# KiCad board JL_checkpoint.kicad_pcb (continued)
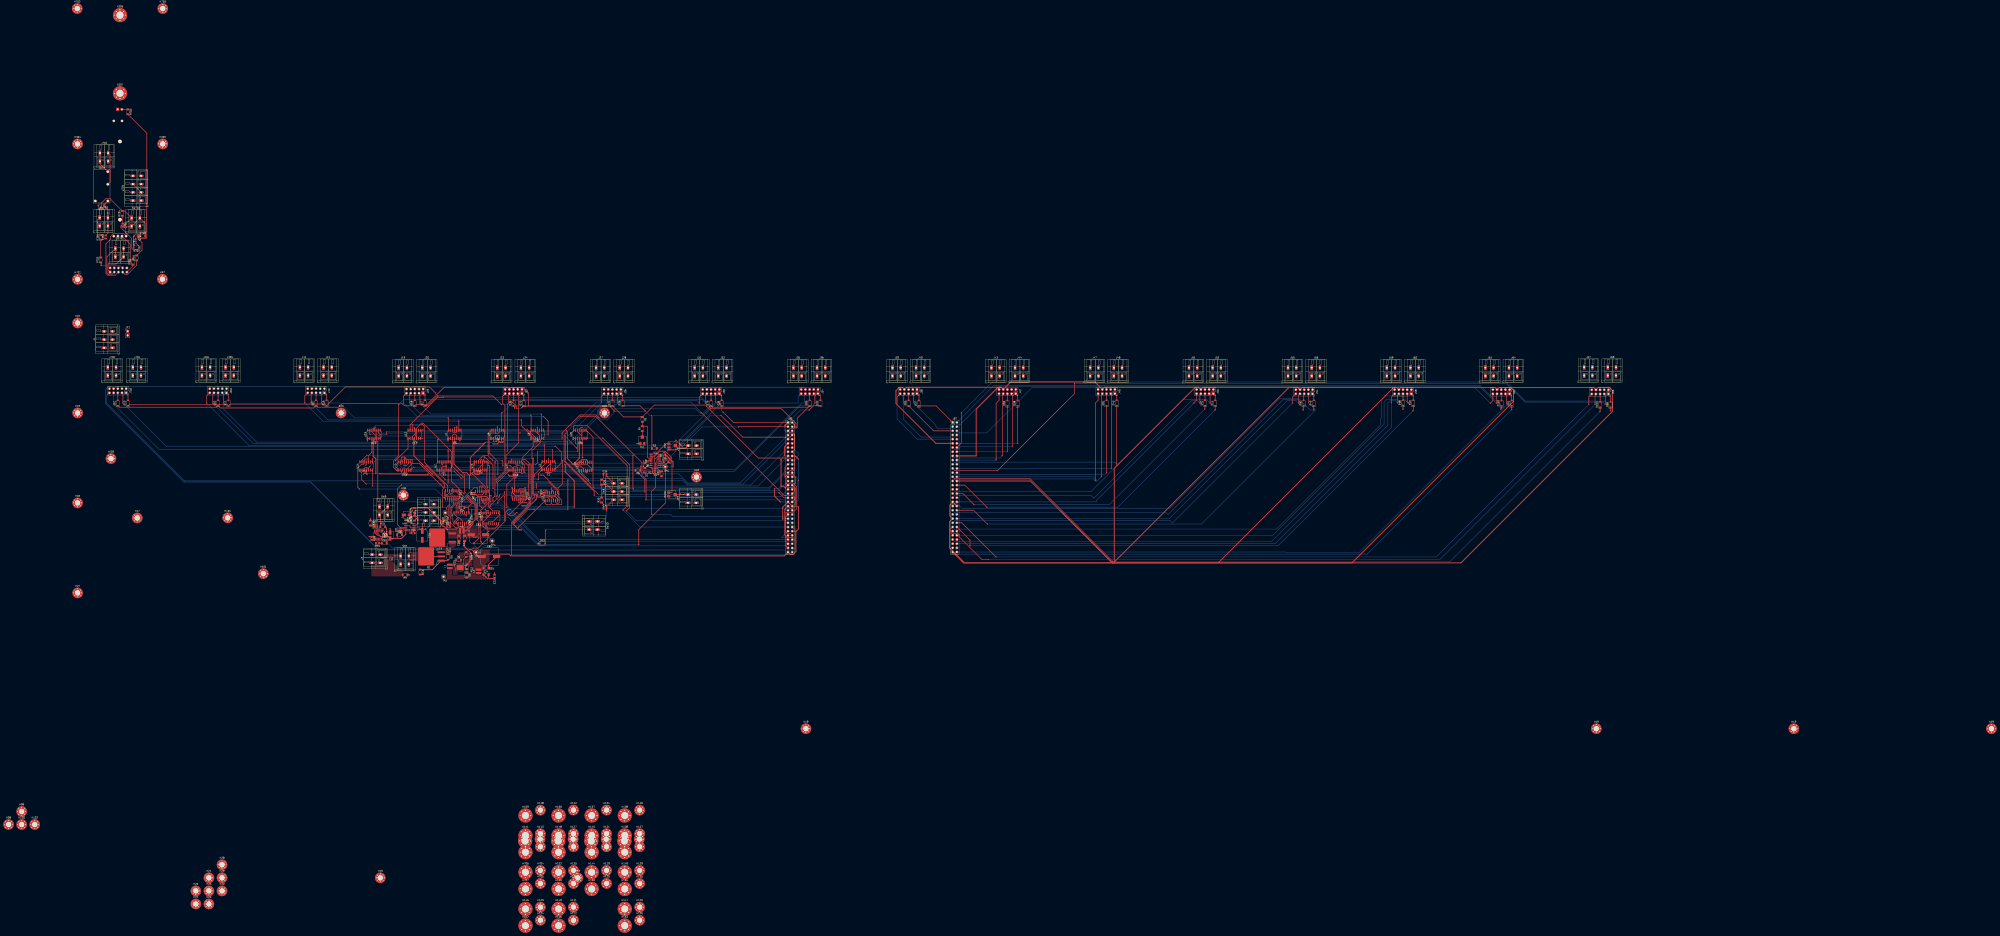
[diagram p0: board, top side]
## Routing (per net, layer and track width the routed paths; a pad name or vN(x,y) marks a point on that pad's centre or on a via; arc(x,y) is an arc through that point) (continued)
CHAN_12: length 76.8
  Top w0.349: v3(288.44,283.25) 288.44,282.2 U16.10 287.96,280.5 ; U16.3 285.42,277.75 287.96,280.29 287.96,280.5 ; U13.3 328.42,259.25 327.17,260.5 321.18,260.5 321.18,261.08 321.28,261.18 321.28,261.82 320.83,262.27 320.19,262.27 319.74,261.82 319.49,261.82 318.69,262.62 v3(318.69,284) ; 287.96,280.5 U16.5
  Bottom w0.349: v3(288.44,283.25) 289.19,284 v3(318.69,284)
CHAN_13: length 80.8
  Top w0.3: v1(334.69,258.5) 334.69,257.32 333.69,256.32 333.2,256.32 332.23,257.3 U13.6
  Top w0.349: v3(306.44,274) 306.44,276.75 U17.3 ; v3(323.44,273.73) 324.78,273.73 334.22,264.29 334.22,262.16 ; U17.5 308.96,278.48 308.69,278.75 306.94,278.75 306.42,278.23 U17.3 ; v3(293.94,282.75) 291.16,285.52 288.24,285.52 285.42,282.7 U16.12 ; v3(299.69,282.5) 300.19,282 v3(300.19,279.5) ; U17.3 306.42,277.75 304.67,279.5 v3(304.44,279.5)
  Bottom w0.3: v1(334.69,258.5) 334.69,261.72 v1(334.27,262.14)
  Bottom w0.349: v3(306.44,274) 306.71,273.73 312.06,273.73 312.11,273.77 323.39,273.77 v3(323.44,273.73) ; v3(299.69,282.5) 299.44,282.75 v3(293.94,282.75) ; v3(304.44,279.5) v3(300.19,279.5)
CHAN_14: length 85.5
  Top w0.3: v1(316.74,268.72) 316.69,268.77 316.69,279.5 v1(315.94,280.25) ; U17.10 308.94,281.7 v1(308.94,280.25) ; U13.8 333.5,264.02 v1(328.32,269.2)
  Top w0.349: v1(320.09,280) 321.21,281.12 v1(321.21,287.85) ; v1(345.66,287.95) 345.71,288 345.71,295.98 U20.3
  Bottom w0.3: v1(328.32,269.2) 328.27,269.25 317.27,269.25 v1(316.74,268.72) ; v1(315.94,280.25) v1(308.94,280.25)
  Bottom w0.349: v1(320.09,280) 316.19,280 v1(315.94,280.25) ; v1(321.21,287.85) 321.31,287.95 v1(345.66,287.95)
CHAN_15: length 58.6
  Top w0.349: 348.21,298 U20.10 ; 348.21,298 U20.5 348.51,295.73 348.51,284.43 v3(348.69,284.25) ; 348.21,298 347.67,298 345.67,300 U20.12 ; v3(329.69,265.75) U13.11 ; v3(333.94,266) 336.46,268.52 v3(336.46,282.5)
  Bottom w0.349: v3(329.69,265.75) 329.94,266 v3(333.94,266) ; v3(336.46,282.5) 338.21,284.25 v3(348.69,284.25)
CLK: length 198
  Top w0.349: v1(403.63,278.75) 403.63,281.71 399.07,286.27 ; 403.69,281.66 399.07,286.27 ; 399.07,286.27 398.36,286.27 397.91,285.82 397.91,284.39 D2.1 ; v3(382.76,231.51) 382.76,240.65 398.86,256.75 TP5.1 ; U1.8 398.51,278.4 TP5.1 ; U25.14 276.92,243.02 v3(276.94,243) ; TP5.1 398.87,278.76 ; TP5.1 397.93,279.67 U1.9
  Bottom w0.349: TP5.1 v1(403.63,278.75) ; v3(382.76,231.51) 382.72,231.48 321.11,231.48 313.76,238.83 313.76,239.08 309.84,243 v3(276.94,243)
CLOCK: length 56
  Top w0.349: v3(382.19,275.27) 386.44,271.02 v3(386.44,263.5) ; SW8.2 363.32,267.94 R29.2 R30.2 ; v3(387.19,275.5) D1.2
  Bottom w0.349: SW8.2 386.19,263.75 v3(386.44,263.5) ; v3(382.19,275.27) 385.66,275.27 385.69,275.25 385.94,275.5 v3(387.19,275.5)
CV_0: length 297.4
  Top w0.349: v3(321.94,271) 321.94,274.83 U3.1 U3.2
  Bottom w0.349: v3(321.94,271) 316.94,271 316.19,270.25 106.8,270.25 59.55,317.5 59.55,321.98 J702.9
CV_1: length 234.2
  Top w0.349: v3(325.44,292.02) 325.4,291.98 U3.13 U3.14 ; v3(120.3,317.5) 120.3,321.82 J302.9
  Bottom w0.349: v3(120.3,317.5) 145.95,291.85 325.26,291.85 v3(325.44,292.02)
CV_2: length 112
  Top w0.349: 179.95,317.5 179.95,321.97 J10.9 ; v3(273.44,306.5) 273.48,306.46 U4.9 U4.8
  Bottom w0.349: v3(273.44,306.5) 190.95,306.5 179.95,317.5 v3(179.95,317.68)
CV_3: length 114.7
  Top w0.349: J18.9 239.95,321.72 v1(239.95,317.5) ; v1(323.69,298.17) 323.73,298.13 U6.6 U6.7 ; v1(327.69,298.25) 327.69,306.5 v3(324.91,309.27)
  Bottom w0.349: v3(324.91,309.27) 248.17,309.27 v1(239.95,317.5) ; v1(323.69,298.17) 323.76,298.25 v1(327.69,298.25)
CV_4: length 95.2
  Top w0.349: U7.1 U7.2 ; U7.2 261.94,276.74 ; U7.2 261.9,274.29 v3(265.16,271.02) ; v3(296.19,271.02) 301.47,276.31 301.47,315.98 299.95,317.5 299.95,321.56 J22.9
  Bottom w0.349: v3(296.19,271.02) v3(265.16,271.02)
CV_5: length 129.7
  Top w0.349: 359.95,317.5 359.95,321.47 J26.9 ; U7.13 U7.14 260.63,295.19 v3(260.69,295.25)
  Bottom w0.349: 359.95,317.5 337.92,295.48 260.91,295.48 v3(260.69,295.25)
CV_6: length 142
  Top w0.349: v3(299.69,311.6) 299.48,311.39 U9.9 U9.8 ; J30.9 419.55,321.18 v3(419.55,317.5)
  Bottom w0.349: v3(419.55,317.5) 418.12,318.92 307.19,318.92 299.86,311.6 v3(299.69,311.6)
CV_7: length 260.9
  Top w0.349: U10.6 U10.7 245.97,278.5 v3(246.19,278.5)
  Bottom w0.349: v3(246.19,278.5) 395.46,278.5 404.91,287.95 404.91,289.57 432.84,317.5 479.55,317.5 479.55,321.32 J34.9
CV_8: length 55.1
  Top w0.349: 539.65,317.5 539.65,321.28 J38.9
  Bottom w0.349: 539.65,317.5 539.65,307.79 551.94,295.5 551.99,295.55 J87.9
CV_9: length 64.8
  Top w0.349: J42.9 601.58,319.18 599.8,317.4 599.8,283.11 v3(599.69,283)
  Bottom w0.349: J87.20 599.54,282.85 v3(599.69,283)
CV_10: length 141.3
  Top w0.349: 659.94,270.25 v3(660.05,270.36) 660.05,317.5 661.76,319.21 J46.9
  Bottom w0.349: J87.29 574.68,271.42 658.99,271.42 v3(660.05,270.36)
CV_11: length 175.8
  Top w0.349: J50.9 721.58,319.23 719.85,317.5
  Bottom w0.349: v3(719.94,317.5) 719.85,317.5 660.69,258.34 660.69,257.5 660.64,257.45 J87.40
CV_12: length 243.8
  Top w0.349: J54.9 779.75,321.02 v3(779.75,317.5)
  Bottom w0.349: v3(779.75,317.5) 707.25,245 706.44,245 705.42,246.02 574.68,246.02 J87.49
CV_13: length 314.5
  Top w0.349: J58.9 839.85,321.12 839.85,317.6
  Bottom w0.349: 839.85,317.6 839.85,302.66 769.19,232 769.14,232.05 J87.60
  vias: v3(839.85,317.75)
CV_14: length 348.9
  Top w0.349: v3(899.95,317.4) 901.51,318.96 J62.9
  Bottom w0.349: J87.7 574.68,299.36 594.05,299.36 621.71,327.02 890.33,327.02 v3(899.95,317.4)
CV_15: length 438
  Top w0.349: v3(599.69,224) 578.94,244.75 J87.50 ; J66.9 959.75,321.22 v3(959.75,316.75) 959.75,316.65
  Bottom w0.349: v3(599.69,224) 867.1,224 959.75,316.65 v3(959.75,316.75)
CV_CommonChannelOutput: length 578.7
  Top w0.349: J85.56 474.68,238.36 472.87,238.36 471.94,239.3 471.94,248.32 J85.45 472.14,251.06 476.48,251.06 478.42,253 478.42,266.9 476.48,268.84 472.72,268.84 472.13,268.25 ; R2.1 373.52,309.07 D74.1 ; R2.1 392.2,316.27 426.22,316.27 D79.1 427.52,314.98 485.67,314.98 ; R2.1 383.61,309.07 ; 472.13,268.25 472.13,271.38 J85.27 ; 472.13,268.25 472.13,267.04 472.87,266.3 476.48,266.3 477.22,265.56 477.22,263.76 J85.36 ; J85.25 474.68,276.46 476.48,276.46 477.22,277.2 477.22,286.62 J85.16 477.22,289.16 477.22,298.58 476.48,299.32 474.68,299.32 J85.5 474.68,301.86 476.48,301.86 477.22,302.6 477.22,304.4 J85.2 477.46,304.15 477.46,302.81 477.92,302.36 478.56,302.36 479.01,302.81 479.01,308.32 485.67,314.98 ; 485.67,314.98 D80.1 486.13,315.85 ; v3(307.44,314.5) 307.44,315.16 D73.1 ; 366.69,315.79 D74.1 ; D74.1 315.84,315.85 v3(315.69,316) 315.69,323.7 312.33,327.06 264.55,327.06 254.21,316.72 247.62,316.72 D68.1 240.34,315.85 238.91,317.27 202.62,317.27 200.32,314.98 187.62,314.98 D67.1 185.4,314.5 128.6,314.5 D62.1 126.37,314.98 67.22,314.98 D61.1
  Bottom w0.349: v3(307.44,314.5) 308.94,316 v3(315.69,316)
CV_OUT: length 9
  Top w0.5: J1.2 411.26,290.15 406.51,290.15 RV2.2
CV_OUTPUT_0: length 4.6
  Top w0.349: D61.2 66.35,323.7 J702.5
CV_OUTPUT_1: length 4.6
  Top w0.349: J302.5 127.25,323.69 D62.2
CV_OUTPUT_2: length 4.6
  Top w0.349: D67.2 186.75,323.69 J10.5
CV_OUTPUT_3: length 4.3
  Top w0.349: J18.5 246.75,323.44 D68.2
CV_OUTPUT_4: length 4.1
  Top w0.349: D73.2 306.75,323.22 J22.5
CV_OUTPUT_5: length 4.1
  Top w0.349: J26.5 366.75,323.19 D74.2
CV_OUTPUT_6: length 4.1
  Top w0.349: J30.5 426.65,323.2 D79.2
CV_OUTPUT_7: length 4.1
  Top w0.349: J34.5 486.55,323.18 D80.2
CV_OUTPUT_8: length 4.1
  Top w0.349: J38.5 546.65,323.2 D85.2
CV_OUTPUT_9: length 4.2
  Top w0.349: D86.2 606.65,323.2 J42.5
CV_OUTPUT_10: length 4.1
  Top w0.349: D91.2 666.85,323.2 J46.5
CV_OUTPUT_11: length 4.1
  Top w0.349: D92.2 726.65,323.2 J50.5
CV_OUTPUT_12: length 4.1
  Top w0.349: J54.5 786.55,322.74 D97.2
CV_OUTPUT_13: length 3.9
  Top w0.349: J58.5 846.95,323.08 D98.2
CV_OUTPUT_14: length 4.1
  Top w0.349: D103.2 906.75,322.95 J62.5
CV_OUTPUT_15: length 4.8
  Top w0.349: D104.2 966.65,322.98 J66.5
GATE: length 7.7
  Top w0.349: J69.2 412.56,261.96 RV20.2
GATE_0: length 298.6
  Top w0.349: v3(331.94,291.25) 332.19,291.25 335.69,287.75 335.69,280.96 U3.7 U3.6 ; J702.3 69.45,323.16 v3(69.45,317.5)
  Bottom w0.349: v3(331.94,291.25) 95.7,291.25 v3(69.45,317.5) 69.44,317.5
GATE_1: length 158
  Top w0.349: J302.3 130.45,323.07 v3(130.45,317.5) ; U4.2 U4.1 266.94,295.83 v3(266.94,294.5)
  Bottom w0.349: v3(266.94,294.5) 266.88,294.45 222.9,294.45 222.2,293.75 150.69,293.75 130.45,313.99 v3(130.45,317.5)
GATE_2: length 96.2
  Top w0.349: U4.13 U4.14 267.13,308.31 v3(266.94,308.5) ; 189.95,317.5 189.95,323.07 J10.3
  Bottom w0.349: v3(266.94,308.5) 210.05,308.5 201.05,317.5 189.95,317.5 v3(189.95,317.68)
GATE_3: length 93.9
  Top w0.349: U6.8 U6.9 323.73,310.71 v3(323.69,310.75) ; v1(249.85,317.5) 249.85,322.92 J18.3
  Bottom w0.349: v3(323.69,310.75) 323.61,310.82 256.52,310.82 v1(249.85,317.5)
GATE_4: length 97.8
  Top w0.349: J22.3 309.85,322.66 309.85,293.41 302.07,285.63 302.07,275.36 301.62,275.36 296.19,269.93 v3(296.19,269.48) ; U7.7 U7.6 266.98,269.52 v3(266.94,269.48)
  Bottom w0.349: v3(296.19,269.48) v3(266.94,269.48)
GATE_5: length 97.8
  Top w0.349: J26.3 369.85,322.67 369.85,317.5 ; v3(294.44,294.25) 294.44,295.99 U9.2 U9.1
  Bottom w0.349: v3(294.44,294.25) 296.14,292.55 324.87,292.55 325.11,292.8 325.76,292.8 326,292.55 341.54,292.55 358.32,309.34 358.32,312.98 360.82,315.48 367.82,315.48 369.85,317.5
GATE_6: length 174
  Top w0.349: v3(291.44,286.5) 291.25,286.68 291.25,299.1 U9.14 U9.13 ; J30.3 429.2,318.25 429.95,317.5
  Bottom w0.349: 429.95,317.5 398.95,286.5 v3(291.44,286.5)
GATE_7: length 281.4
  Top w0.349: U10.8 U10.9 242.98,280.75 241.9,279.67 v3(240.36,279.67) ; J34.3 489.75,322.52 v3(489.75,317.5)
  Bottom w0.349: v3(489.75,317.5) 488.32,316.08 480.98,316.08 440.91,276 419.46,276 419.31,276.15 416.31,276.15 416.16,276 387.78,276 387.05,276.73 241.11,276.73 239.66,278.18 239.66,278.98 v3(240.36,279.67)
GATE_8: length 39.6
  Top w0.349: 549.75,317.5 549.75,322.66 J38.3
  Bottom w0.349: J87.4 574.68,301.9 564.54,301.9 563.19,303.25 563.19,304.06 549.75,317.5
GATE_9: length 70
  Top w0.349: v3(609.69,291) 609.75,291.06 609.75,322.66 J42.3
  Bottom w0.349: J87.13 574.68,289.2 576.48,289.2 578.28,291 v3(609.69,291)
GATE_10: length 139.7
  Top w0.349: v3(669.94,277.75) 669.95,277.76 669.95,322.64 J46.3
  Bottom w0.349: v3(669.94,277.75) 669.92,277.77 J87.24
GATE_11: length 186.7
  Top w0.349: J50.3 729.75,322.66 v3(729.75,317.5)
  Bottom w0.349: J87.33 574.68,263.8 657.49,263.8 713.21,319.52 727.72,319.52 v3(729.75,317.5)
GATE_12: length 261.4
  Top w0.349: v3(594.44,244) 586.07,252.37 J87.44 ; J54.3 789.65,322.92 789.65,317.5
  Bottom w0.349: 789.65,317.5 793.46,313.69 793.46,312.93 724.53,244 v3(594.44,244)
GATE_13: length 327.2
  Top w0.349: 850.19,317.5 850.09,317.6 v3(850.05,317.6) 849.46,318.19 J58.3
  Bottom w0.349: v3(850.05,317.6) 845.81,321.84 836.03,321.84 833.94,319.75 833.94,308.5 833.19,307.75 833.19,304 770.13,240.94 574.68,240.94 J87.53
GATE_14: length 378.4
  Top w0.349: J62.3 909.85,322.39 v3(909.85,317.4)
  Bottom w0.349: J87.64 775.72,226.97 776.19,226.5 820.03,226.5 909.85,316.31 v3(909.85,317.4)
GATE_15: length 434.7
  Top w0.349: v3(647.44,329.5) 647.44,323.25 600.44,276.25 600.19,276.5 574.68,276.5 J87.23 ; J66.3 969.75,322.42 v3(969.75,316.6)
  Bottom w0.349: v3(647.44,329.5) 909.62,329.5 921.04,318.07 968.27,318.07 v3(969.75,316.6)
GATE_CommonChannelOutput: length 609.8
  Top w0.349: v3(299.44,316.5) 294.16,321.77 v3(260.52,321.77) 254.59,315.85 D17.1 ; 476.48,235.82 472.87,235.82 471.94,236.75 ; 471.94,236.75 472.13,236.56 472.13,230.74 J85.61 ; 471.94,236.75 471.34,237.36 471.34,252.8 J85.41 474.68,253.6 476.54,253.6 477.82,254.88 477.82,265.87 476.12,267.57 J85.32 ; v3(433.94,312) 440.27,305.67 J85.1 473.2,305.67 v3(471.44,303.9) ; J85.21 471.53,278.4 471.53,272.58 472.87,273.92 476.48,273.92 477.94,272.46 v3(477.94,268.75) ; v3(308.69,314.25) 308.69,315.43 306.11,318 v3(304.69,318) ; v3(368.19,312.5) 365.46,315.23 313.57,315.23 D25.1 312.79,315.85 v3(311.69,314.75) ; R3.1 390.73,309.7 v3(390.44,310) ; v3(386.69,312.75) 383.59,315.85 D26.1 ; v3(486.19,313.25) 488.79,315.85 D32.1 ; v3(259.19,323.75) 255.67,327.27 204.57,327.27 D16.1 192.09,316.9 134.6,316.9 D11.1 132.67,316.72 73.42,316.72 D10.1 ; v3(431.44,318.25) 431.44,317.56 v3(433.15,315.85) ; J85.52 477.22,240.9
  Bottom w0.349: v3(486.19,313.25) 480.99,313.25 J85.1 ; v3(433.94,312) 433.15,312.79 v3(433.15,315.85) ; v3(311.69,314.75) 311.19,314.25 v3(308.69,314.25) ; v3(477.94,268.75) 477.13,268.75 J85.32 ; v3(431.44,318.25) 429.85,318.25 421.6,310 v3(390.44,310) 389.44,310 v3(386.69,312.75) 386.44,312.5 v3(368.19,312.5) ; v3(260.52,321.77) 259.19,323.11 v3(259.19,323.75) ; J85.21 474.68,281.54 476.48,281.54 478.69,283.75 478.69,284.5 479.69,285.5 479.69,286.69 J85.14 J85.12 477.22,294.24 477.22,298.58 476.48,299.32 472.87,299.32 471.44,300.76 v3(471.44,303.9) ; v3(299.44,316.5) 303.19,316.5 v3(304.69,318)
GATE_OUTPUT_0: length 5
  Top w0.349: J702.1 72.55,322.6 D10.2
GATE_OUTPUT_1: length 5.1
  Top w0.349: J302.1 133.55,322.51 D11.2
GATE_OUTPUT_2: length 5.1
  Top w0.349: D16.2 193.15,322.41 J10.1
GATE_OUTPUT_3: length 4.8
  Top w0.349: D17.2 252.95,322.36 J18.1
GATE_OUTPUT_4: length 4.6
  Top w0.349: J22.1 312.95,322.1 D25.2
GATE_OUTPUT_5: length 4.5
  Top w0.349: D26.2 372.95,322.11 J26.1
GATE_OUTPUT_6: length 4.6
  Top w0.349: D31.2 433.15,321.8 J30.1
GATE_OUTPUT_7: length 4.7
  Top w0.349: D32.2 493.05,321.76 J34.1
GATE_OUTPUT_8: length 4.7
  Top w0.349: J38.1 552.95,322 D37.2
GATE_OUTPUT_9: length 4.6
  Top w0.349: D38.2 612.85,322.1 J42.1
GATE_OUTPUT_10: length 4.5
  Top w0.349: J46.1 673.05,322.08 D43.2
GATE_OUTPUT_11: length 4.5
  Top w0.349: J50.1 732.85,322.1 D44.2
GATE_OUTPUT_12: length 4.3
  Top w0.349: D49.2 792.75,322.36 J54.1
GATE_OUTPUT_13: length 4.3
  Top w0.349: J58.1 853.15,321.96 D50.2
GATE_OUTPUT_14: length 4.6
  Top w0.349: D55.2 912.95,321.83 J62.1
GATE_OUTPUT_15: length 5.3
  Top w0.349: D56.2 972.95,321.76 J66.1
RELAYS_0: length 294.3
  Top w0.349: U3.8 U3.9 330.48,289.21 v3(330.44,289.25) ; 63.25,323.14 J702.7
  Bottom w0.349: 63.64,317.11 91.5,289.25 v3(330.44,289.25) ; J702.7 63.82,317.63 63.47,317.28 ; 63.59,317.5 63.64,317.45
RELAYS_1: length 171.2
  Top w0.349: J302.7 124.05,323.03 v3(124.05,317.5) ; v1(274.19,294.75) 273.48,295.46 U4.6 U4.7 274.69,295.96
  Bottom w0.349: v1(274.19,294.75) 274.19,293.75 273.23,292.8 148.75,292.8 v3(124.05,317.5)
RELAYS_2: length 153.4
  Top w0.349: U6.2 U6.1 317.38,297.81 311.44,303.75 v3(311.44,307.25) ; J10.7 183.75,323.23 v3(183.75,317.68)
  Bottom w0.349: 304.44,307.27 304.66,307.27 304.69,307.25 ; 304.44,307.27 311.41,307.27 v3(311.44,307.25) ; 304.44,307.27 193.97,307.27 183.75,317.5
RELAYS_3: length 93.4
  Top w0.349: J18.7 243.65,322.88 v1(243.65,317.5) ; v3(317.19,310.05) 317.38,309.86 U6.14 U6.13
  Bottom w0.349: v1(243.65,317.5) 251.27,309.87 317.01,309.87 v3(317.19,310.05)
RELAYS_4: length 79.6
  Top w0.349: v3(302.94,288.25) 302.94,316.79 303.65,317.5 303.65,322.72 J22.7 ; U7.8 U7.9 266.98,288.44 v3(266.94,288.48)
  Bottom w0.349: v3(302.94,288.25) 267.16,288.25 v3(266.94,288.48)
RELAYS_5: length 85.6
  Top w0.349: v3(299.44,294.25) 299.44,295.99 U9.6 U9.7 ; J26.7 363.65,322.63 363.65,317.5
  Bottom w0.349: v3(299.44,294.25) 300.54,293.15 324.62,293.15 324.87,293.4 326,293.4 326.25,293.15 340.48,293.15 357.72,310.39 357.72,313.23 360.57,316.08 362.22,316.08 363.65,317.5
RELAYS_6: length 238.9
  Top w0.349: U10.2 U10.1 235.46,276.77 ; 235.46,276.77 235.44,276.75 ; 235.46,276.77 235.41,276.77 233.91,278.28 233.91,282.48 236.94,285.5 v3(236.94,316.5) ; J30.7 423.45,322.54 423.45,317.5 423.41,317.46 v3(423.23,317.46)
  Bottom w0.349: 423.45,317.5 421.42,319.52 239.95,319.52 236.94,316.5 v3(236.94,316.5)
RELAYS_7: length 274.8
  Top w0.349: U10.13 238.19,281.44 v1(238.19,280.25) ; U10.13 237.9,281.04 ; U10.13 U10.14
  Bottom w0.349: v1(238.19,280.25) 238.38,280.45 240.68,280.45 241.13,279.99 241.13,279.2 240.44,278.5 241.61,277.33 387.3,277.33 387.63,277 441.06,277 481.56,317.5 483.35,317.5 483.35,322.58 J34.7
RELAYS_8: length 53.3
  Top w0.349: 543.4,317.5 543.4,322.49 J38.7
  Bottom w0.349: J87.8 574.68,296.82 554.37,296.82 543.4,307.79 543.4,317.5
RELAYS_9: length 69.1
  Top w0.349: v3(603.44,285.5) 603.55,285.61 603.55,322.64 J42.7
  Bottom w0.349: J87.17 574.68,284.12 602.06,284.12 v3(603.44,285.5)
RELAYS_10: length 141.3
  Top w0.349: v3(663.69,272.75) 663.75,272.81 663.75,322.66 J46.7
  Bottom w0.349: v3(663.69,272.75) 660.82,269.88 660.82,270.68 658.81,272.69 J87.28
RELAYS_11: length 182.3
  Top w0.349: J50.7 723.55,322.64 v3(723.55,317.5)
  Bottom w0.349: J87.37 574.68,261.26 657.68,261.26 659.19,259.75 718.36,318.92 722.12,318.92 v3(723.55,317.5)
RELAYS_12: length 243.8
  Top w0.349: J54.7 783.45,322.18 v3(783.45,317.5)
  Bottom w0.349: J87.48 704.98,247.29 776.61,318.92 782.02,318.92 v3(783.45,317.5)
RELAYS_13: length 320.6
  Top w0.349: v3(843.65,317.6) 843.65,322.38 J58.7
  Bottom w0.349: v3(843.65,317.6) 842.22,319.02 839.26,319.02 837.69,317.45 837.69,304 767.01,233.32 574.68,233.32 J87.57
RELAYS_14: length 350.5
  Top w0.349: J62.7 903.65,322.71 v3(903.65,317.4)
  Bottom w0.349: v3(903.65,317.4) 893.43,327.62 601.14,327.62 577.96,304.44 574.68,304.44 J87.3
RELAYS_15: length 448.2
  Top w0.349: J87.51 572.13,240.94 572.13,239.14 572.87,238.4 576.48,238.4 577.22,237.66 577.22,236.37 591.09,222.5 v3(595.19,222.5) ; J66.7 963.55,322.48 v3(963.55,316.65)
  Bottom w0.349: v3(595.19,222.5) 869.4,222.5 v3(963.55,316.65)
SECONDARY_5VA: length 3167.2
  Top w0.5: J54.8 785.72,327 843.03,327 ; J54.8 782.93,327.1 725.46,327.1 J50.8 722.77,327.1 ; J54.8 783.03,327 777.63,327 671.04,220.4 ; 602.77,327.1 545.46,327.1 J38.8 542.77,327.1 541.01,327.1 538.97,325.05 538.97,317.22 563.18,293.01 J87.11 ; 602.77,327.1 J42.8 608.72,330.35 659.7,330.35 J46.8 665.64,327.1 722.77,327.1 ; 602.77,327.1 601.01,327.1 587.69,313.77 587.69,285.5 587.58,285.39 J87.18 ; v3(471.19,285.5) 471.19,290.75 J85.11 ; 905.39,327 962.63,327 J66.8 965.53,327 972.15,327 974.05,325.11 974.05,312.36 882.09,220.4 670.33,220.4 ; 905.39,327 912.23,327 914.05,325.18 914.05,318.52 815.92,220.4 580.61,220.4 571.46,229.55 571.46,245.34 J87.47 571.69,249.01 571.69,255.5 572.44,256.26 574.6,256.26 J87.42 J87.39 ; 905.39,327 J62.8 902.7,327 845.72,327 J58.8 843.03,327 ; v3(470.19,247) 470.19,254.19 J85.39 J85.42 ; v3(468.69,257.5) 465.19,261 v3(465.19,265.5) ; 670.33,220.4 620.58,270.15 J87.30 ; 670.33,220.4 638.96,251.77 ; 670.33,220.4 671.04,220.4 ; 478.19,239.5 478.19,227.26 476.51,225.58 474.75,225.58 J85.63 471.13,224.65 305.04,224.65 303.99,225.7 289.16,225.7 C85.1 285.51,224.25 281.36,228.4 v1(279.84,228.4) ; 478.19,239.5 479.69,241 v3(479.69,254.5) ; 478.19,239.5 478.06,239.63 J85.54 ; 671.04,220.4 671.54,220.9 671.54,277.85 720.78,327.1 722.77,327.1 ; J87.63 579.98,220.4 734.68,220.4 841.27,327 843.03,327 ; J85.18 475.95,285.24 476.19,285 ; v3(479.69,283.5) v3(478.14,285.05) ; J85.31 473.48,267.5 474.19,267.5 ; v3(471.69,266) 470.69,267 v3(469.19,267) v3(469.19,283)
  Bottom w0.5: v3(468.69,257.5) 468.78,257.41 J85.39 ; v3(470.19,247) 470.44,247.25 J85.47 ; J85.18 477.84,285.35 v3(478.14,285.05) ; v1(279.84,228.4) 224.54,228.4 183.36,269.58 106.52,269.58 58.87,317.22 58.87,325.75 60.71,327.6 62.47,327.6 J702.8 65.16,327.6 123.38,327.6 J302.8 126.07,327.6 182.88,327.6 J10.8 185.57,327.6 242.63,327.6 J18.8 245.57,327.35 302.62,327.35 J22.8 305.52,327.14 362.84,327.14 J26.8 365.57,327.1 422.77,327.1 J30.8 425.46,327.1 482.63,327.1 J34.8 ; v3(471.19,285.5) 469.19,283.5 v3(469.19,283) ; J85.30 J85.31 471.84,266 v3(471.69,266) ; v3(465.19,265.5) 467.69,265.5 v3(469.19,267) ; v3(479.69,283.5) 479.71,283.48 v3(479.71,270.5) 479.71,258.63 J85.42 476.32,254.5 v3(479.69,254.5)
Net-(C36-Pad1): length 3.9
  Top w0.349: C36.1 361.26,271.91 R29.1
Net-(C37-Pad1): length 4
  Top w0.349: C37.1 361.26,256.04 R30.1
Net-(D1-K): length 40.2
  Top w0.349: 397.02,280.94 U1.10 395.62,280.5 399.51,280.5 R1.2 401.73,280.88 v2(401.94,280.88) ; D1.1 389.97,274.64 391.7,274.64 392.16,275.1 392.16,284.79 395.64,288.27 398.85,288.27 402.39,284.74 v2(402.39,284.12)
  Bottom w0.349: v2(402.39,284.12) 402.39,281.32 v2(401.94,280.88)
Net-(D3-A): length 3.1
  Top w0.349: D3.2 391.11,277.53 U1.7
Net-(D3-K): length 12.6
  Top w0.349: U1.12 394.21,283.48 393.78,283.06 393.78,278.01 395.81,275.99 R7.2 396.28,275.66 D3.1
Net-(D23-A): length 39.8
  Top w0.349: v3(326.19,240.25) 325.95,240.01 D23.2
  Bottom w0.349: v3(326.19,240.25) 326.55,240.61 SW10.2
Net-(D37-K): length 24.6
  Top w0.349: J87.1 563.37,315.75 D37.1
Net-(D38-K): length 59.8
  Top w0.349: D38.1 612.85,293.09 v3(612.94,293)
  Bottom w0.349: J87.12 612.93,293.01 v3(612.94,293)
Net-(D43-K): length 135.9
  Top w0.349: v3(672.94,280.5) 673.05,280.61 D43.1
  Bottom w0.349: v3(672.94,280.5) 671.86,281.58 574.68,281.58 J87.21
Net-(D44-K): length 189.4
  Top w0.349: D44.1 732.85,313.41 v3(732.69,313.25) ; J87.32 580.83,267.61 v3(594.19,254.25)
  Bottom w0.349: v3(732.69,313.25) 673.69,254.25 v3(594.19,254.25)
Net-(D49-K): length 254
  Top w0.349: D49.1 792.75,313.31 v3(792.69,313.25)
  Bottom w0.349: J87.41 574.68,256.18 576.48,256.18 579.18,253.48 705.16,253.48 771.81,320.12 783.68,320.12 790.56,313.25 v3(792.69,313.25)
Net-(D50-K): length 321
  Top w0.349: J87.52 583.94,234.22 v3(583.94,230.75) ; v3(852.94,312.75) 853.15,312.96 D50.1
  Bottom w0.349: v3(852.94,312.75) 770.97,230.78 583.97,230.78 v3(583.94,230.75)
Net-(D55-K): length 383.5
  Top w0.349: D55.1 912.95,313.51 v3(912.94,313.5)
  Bottom w0.349: J87.61 571.94,228.04 571.94,226.64 572.87,225.7 825.14,225.7 v3(912.94,313.5)
Net-(D56-K): length 435.2
  Top w0.349: v3(972.94,312.75) 972.95,312.76 D56.1 ; v3(578.69,311.5) 578.69,293.21 J87.14
  Bottom w0.349: v3(972.94,312.75) 972.66,313.02 972.66,315.7 969.69,318.67 921.29,318.67 909.69,330.27 597.46,330.27 v3(578.69,311.5)
Net-(D85-K): length 33.1
  Top w0.349: J87.5 561.87,300.63 D85.1
Net-(D86-K): length 58.5
  Top w0.349: v3(606.69,288) 606.65,288.04 D86.1
  Bottom w0.349: J87.16 606.62,287.93 v3(606.69,288)
Net-(D91-K): length 135.2
  Top w0.349: D91.1 666.85,275.34 v3(666.94,275.25)
  Bottom w0.349: v3(666.94,275.25) 665.65,273.96 574.68,273.96 J87.25
Net-(D92-K): length 179.5
  Top w0.349: v3(726.44,313.75) 726.65,313.96 D92.1 ; J87.36 579.66,262.53 v3(586.44,255.75)
  Bottom w0.349: v3(726.44,313.75) 668.44,255.75 v3(586.44,255.75)
Net-(D97-K): length 250.2
  Top w0.349: D97.1 786.55,313.61 v3(786.19,313.25)
  Bottom w0.349: J87.45 574.68,251.1 702.84,251.1 704.19,249.75 773.96,319.52 783.44,319.52 786.19,316.77 v3(786.19,313.25)
Net-(D98-K): length 319.5
  Top w0.349: v3(846.94,313.75) 846.95,313.76 D98.1
  Bottom w0.349: J87.56 767.06,237.13 767.44,236.75 835.44,304.75 835.44,318.25 836.81,319.62 843.64,319.62 846.94,316.32 v3(846.94,313.75)
Net-(D103-K): length 349.6
  Top w0.349: v3(906.19,313.75) 906.75,314.31 D103.1
  Bottom w0.349: v3(906.19,313.75) 906.19,316.87 904.24,318.82 903.12,318.82 893.69,328.25 598.49,328.25 J87.2
Net-(D104-K): length 454.8
  Top w0.349: J87.27 574.68,271.42 620.52,271.42 v3(670.69,221.25) ; v3(966.44,312.25) 966.65,312.46 D104.1
  Bottom w0.349: v3(670.69,221.25) 875.44,221.25 v3(966.44,312.25)
Net-(J703-Pin_1): length 13.4
  Top w0.349: J703.1 55.5,462.88 K701.4
Net-(J703-Pin_2): length 20
  Top w0.349: J703.2 61.63,468.29 61.63,451.77 K701.3
Net-(R4-Pad1): length 3.6
  Top w0.349: RV1.2 R4.1
Net-(R34-Pad2): length 14.2
  Top w0.349: v3(274.13,256.27) 273.92,256.06 R34.2 ; U11.3 270.46,263.71 269,262.25 v3(268.19,262.25)
  Bottom w0.349: v3(268.19,262.25) 268.19,262.22 v3(274.13,256.27)
Net-(U1B--): length 10.4
  Top w0.349: v1(383.99,279.2) 383.67,278.88 R5.1 ; U1.6 388.13,279.67 R6.2 385.79,278.67 v1(385.79,279.2)
  Bottom w0.349: v1(383.99,279.2) v1(385.79,279.2)
Net-(U1D--): length 36.7
  Top w0.349: v3(398.69,285.5) 399,285.5 402.94,281.56 402.94,263.25 402.8,263.11 RV20.3 ; v3(392.94,283.75) 393.94,284.75 U1.13 U1.14
  Bottom w0.349: v3(398.69,285.5) 394.69,285.5 v3(392.94,283.75)
Net-(U24-TR): length 16.9
  Top w0.349: SW9.2 225.8,250.1 R31.1 224.99,241.54 U24.2

## Copper pours and planes (outline as drawn; the poured copper is in the pictures)
+6V on Top: 275.94,237.25 280.19,237.25 280.19,239.25 275.94,239.25
+6V on Top: 275.34,241.35 275.34,235.4 284.96,235.4 284.96,241.43 275.44,241.43
+12V on Top: 273.19,226.75 281.94,226.75 281.94,223.5 279.19,223.5 279.19,223 273.69,223 273.69,219.5 273.19,219.5
+12V on Top: 263.19,227.5 263.69,228 267.19,228 267.69,228.75 268.69,228.75 268.69,225 265.94,225 264.69,226.25 263.19,226.25
+12V on Top: 267.69,228.75 267.69,232.25 266.94,233.25 266.94,234 271.69,234 271.69,230.5 268.69,228.75
/Power Supply/5VA Unfiltered on Top: 280.44,215.25 280.44,213 269.69,213 269.69,217.75 266.19,217.75 266.19,210.25 289.94,210.25 289.94,215.25
GND on Top: 274.19,219.25 272.19,219.25 272.19,216 276.19,216 276.19,219.25 274.94,219.25 274.94,220 274.19,220
